# Altium PCB BT612-4-V1.0.PcbDoc (part 2 of 3)
Units mil, origin at the board's own origin, x right, y up, seen from the top; angles counter-clockwise.
Board outline 2224.41 x 905.51 mil, 2 copper layers (Top Layer, Bottom Layer); 57 components, 46 nets, 209 pads, 231 vias.
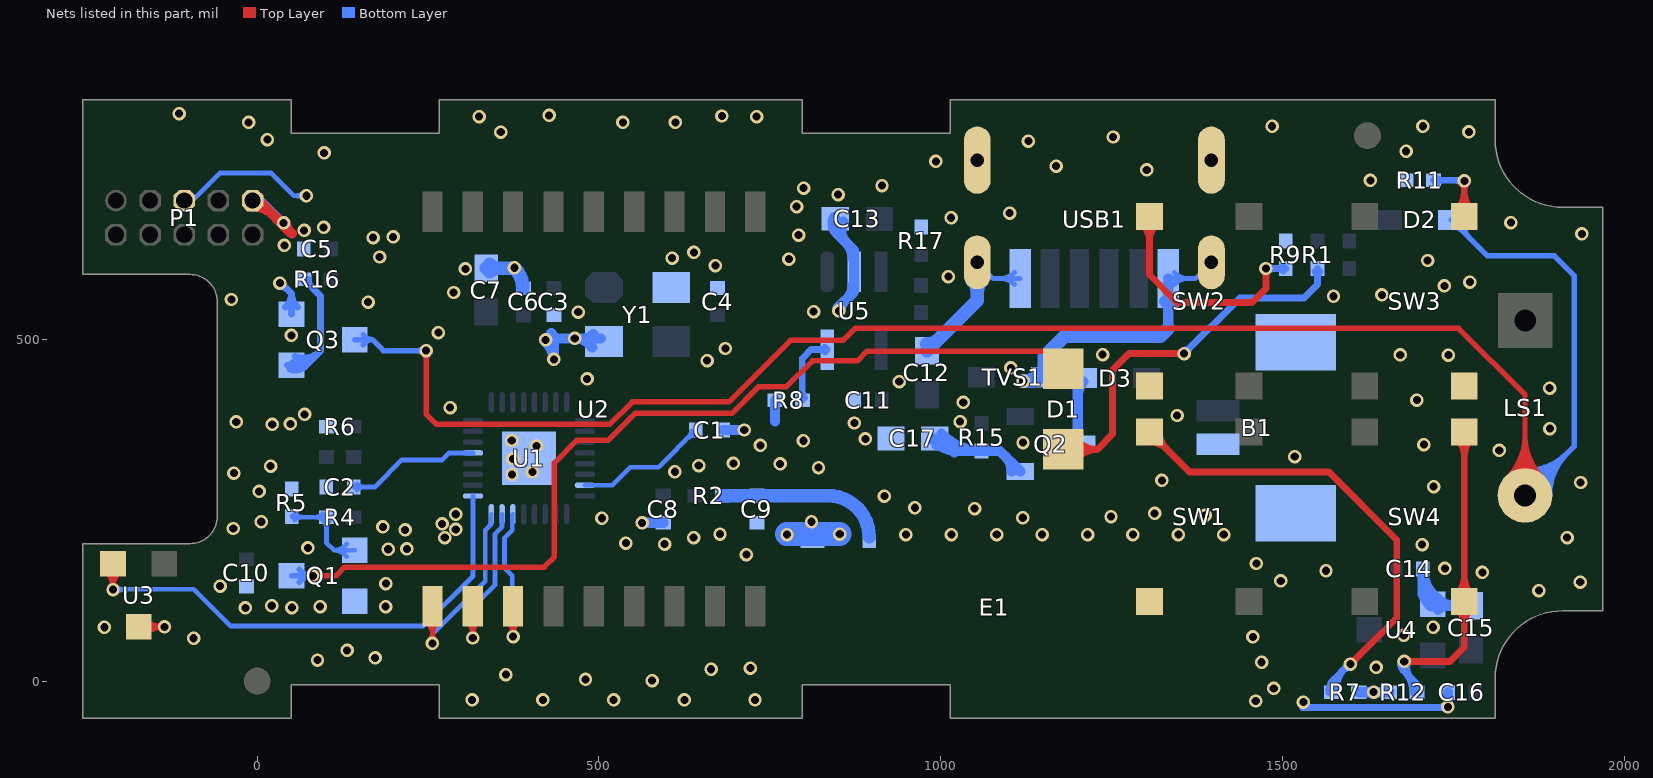
[diagram p2: the nets of this part, all layers, seen from the top]

## Via types
v1: diameter 19.68, hole 11.81, Top Layer to Bottom Layer, tented both sides, 231 vias

## Nets (pads, with @x,y where several pads share a name; then routed paths per layer and width w, separated by ;. In a path a pad name is that pad's centre, name@x,y a point inside that pad or via, vN(x,y) a via of type N, cw(c..) or ccw(c..) an arc to the next point about the centre after c; other vN are vias at no path point) (continued)
GND: B1.2 B1.3 B1.4 C1.2 C2.1 C3.2 C4.1 C5.2 C6.2 C7.2 C8.2 C9.2 C10.2 C11.1 C12.1 C13.1 C14.1 C15.1 C16.1 C17.1 E1.2 P1.5 P1.9 Q1.2 Q3.2 R5.1 R6.1 R7.2 R8.1 R9.2 R11.2 R12.2 R17.1 TVS1.1 U1.33 U3.2 U4.1 U5.2 USB1.7 USB1.A12 USB1.B12 Y1.2 Y1.4 | length 4639.1
  Top Layer w7: U3.2@-173.62,79.33 v1(-135.63,79.33) ; U3.2@-167.82,73.53 cw(c-153.82,59.53) -153.82,79.33 ; U3.2@-167.82,73.53 cw(c-153.82,59.53) -153.82,79.33 ; U3.2@-167.82,73.53 cw(c-153.82,59.53) -153.82,79.33 ; U3.2@-167.82,85.13 ccw(c-153.82,99.13) -153.82,79.33 ; U3.2@-167.82,85.13 ccw(c-153.82,99.13) -153.82,79.33 ; U3.2@-167.82,85.13 ccw(c-153.82,99.13) -153.82,79.33 ; U3.2@-162.87,68.58 cw(c-136.92,42.63) v1@-136.92,79.33 ; U3.2@-162.87,68.58 cw(c-136.92,42.63) v1@-136.92,79.33 ; U3.2@-162.87,68.58 cw(c-136.92,42.63) v1@-136.92,79.33 ; U3.2@-162.87,90.08 ccw(c-136.92,116.03) v1@-136.92,79.33 ; U3.2@-162.87,90.08 ccw(c-136.92,116.03) v1@-136.92,79.33 ; U3.2@-162.87,90.08 ccw(c-136.92,116.03) v1@-136.92,79.33 ; -150.94,79.33 cw(c-150.94,64.02) v1@-140.11,74.85 ; -150.94,79.33 ccw(c-150.94,94.64) v1@-140.11,83.82 ; -150.94,79.33 cw(c-150.94,64.02) v1@-140.11,74.85 ; -150.94,79.33 ccw(c-150.94,94.64) v1@-140.11,83.82 ; -150.94,79.33 cw(c-150.94,64.02) v1@-140.11,74.85 ; -150.94,79.33 ccw(c-150.94,94.64) v1@-140.11,83.82 ; -150.94,79.33 cw(c-150.94,64.02) v1@-140.11,74.85 ; -150.94,79.33 ccw(c-150.94,94.64) v1@-140.11,83.82 ; -150.94,79.33 cw(c-150.94,64.02) v1@-140.11,74.85 ; -150.94,79.33 ccw(c-150.94,94.64) v1@-140.11,83.82
  Top Layer w15: P1.9@-6.69,702.95 2.56,702.95 50.79,654.72 ; P1.9@-6.69,694.7 cw(c-6.69,652.46) 23.18,682.33 ccw(c-6.69,652.46) P1.9@-6.69,694.7 ; 28.53,676.98 ccw(c38.58,687.02) 38.58,672.82 cw(c38.58,687.02) 28.53,676.98 ; v1@40.93,670.47 ccw(c55.14,670.47) 45.09,660.42 cw(c55.14,670.47) v1@40.93,670.47
  Bottom Layer w7: P1.5@-106.69,702.95 -95.16,702.95 -54.92,743.2 20.3,743.2 53.44,710.06 v1(72.05,710.06) ; v1@67.56,705.58 ccw(c56.74,694.75) 56.74,710.06 ccw(c56.74,725.38) v1@67.56,714.55 ; USB1.7@1053.54,612.6 1077.17,588.98 USB1.B12@1116.54,588.98 ; USB1.A12@1333.07,588.98 1372.44,588.98 USB1.7@1396.06,612.6 ; 1086.97,588.98 cw(c1086.97,559.41) USB1.B12@1107.88,580.32 ; 1086.97,588.98 ccw(c1086.97,618.55) USB1.B12@1107.88,597.64 ; 1086.97,588.98 cw(c1086.97,559.41) USB1.B12@1107.88,580.32 ; 1086.97,588.98 ccw(c1086.97,618.55) USB1.B12@1107.88,597.64 ; 1086.97,588.98 cw(c1086.97,559.41) USB1.B12@1107.88,580.32 ; 1086.97,588.98 ccw(c1086.97,618.55) USB1.B12@1107.88,597.64 ; USB1.A12@1341.73,580.32 cw(c1362.64,559.41) 1362.64,588.98 ; USB1.A12@1341.73,580.32 cw(c1362.64,559.41) 1362.64,588.98 ; USB1.A12@1341.73,580.32 cw(c1362.64,559.41) 1362.64,588.98 ; USB1.A12@1341.73,597.64 ccw(c1362.64,618.55) 1362.64,588.98 ; USB1.A12@1341.73,597.64 ccw(c1362.64,618.55) 1362.64,588.98 ; USB1.A12@1341.73,597.64 ccw(c1362.64,618.55) 1362.64,588.98
  Bottom Layer w8: v1(33.07,582.28) v1@34.65,582.28
  Bottom Layer w10: v1@34.65,582.28 50.2,566.73 ; Q3.2@50.2,537.01 50.2,566.73 ; v1@1529.53,-38.54 1741.39,-38.54 v1(1742.13,-37.8) ; 50.2,566.73 cw(c24.81,566.73) 41.3,547.43 ccw(c24.81,566.73) 50.2,566.73 ; 50.2,566.73 ccw(c75.59,566.73) 59.1,547.43 cw(c75.59,566.73) 50.2,566.73 ; 1728.65,-38.54 ccw(c1728.65,-24.32) v1@1738.7,-34.37 ; 1728.65,-38.54 ccw(c1728.65,-24.32) v1@1738.7,-34.37 ; 1728.65,-38.54 ccw(c1728.65,-24.32) v1@1738.7,-34.37 ; 1732.22,-38.54 cw(c1732.22,-47.7) v1@1738.7,-41.22 ; 1732.22,-38.54 cw(c1732.22,-47.7) v1@1738.7,-41.22 ; 1732.22,-38.54 cw(c1732.22,-47.7) v1@1738.7,-41.22 ; v1@33.07,577.44 cw(c33.07,561.95) 44.03,572.9 ccw(c33.07,561.95) v1@33.07,577.44
  Bottom Layer w15: P1.9@2.95,703.74 v1@43.31,663.39 ; v1(434.18,470.8) 434.18,501.38 v1(464.57,501.38) ; Y1.4@502.95,501.38 v1(464.57,501.38) ; v1(563.31,231.57) C8.2@594.09,231.57 ; C1.2@681.81,367.32 v1(712.6,367.32) ; 757.56,380.24 R8.1@757.56,411.02 ; C13.1@846,676.39 846,657.15 873.36,629.79 U5.2@873.36,599.15 873.36,569.82 v1@849.61,546.06 ; 1333.07,516.04 USB1.A12@1333.07,588.98 ; R7.2@1611.73,-16.54 R12.2@1656.77,-16.54 ; v1@1742.21,-37.11 C16.1@1742.21,-16.54 ; C15.1@1776.05,110.04 1722.05,110.04 U4.1@1719.88,112.2 1705.43,126.65 C14.1@1705.43,164.17 ; v1@420.55,497.41 cw(c396.32,468.32) v1@434.18,468.32 ; v1@420.55,497.41 cw(c396.32,468.32) v1@434.18,468.32 ; v1@420.55,497.41 cw(c396.32,468.32) v1@434.18,468.32 ; v1@420.55,497.41 cw(c396.32,468.32) v1@434.18,468.32 ; v1@423.7,497.56 cw(c432.93,488.33) 432.93,501.38 ; v1@423.7,497.56 cw(c432.93,488.33) 432.93,501.38 ; v1@423.7,497.56 cw(c432.93,488.33) 432.93,501.38 ; v1@423.7,497.56 cw(c432.93,488.33) 432.93,501.38 ; v1@423.7,497.56 cw(c432.93,488.33) 432.93,501.38 ; v1@423.7,497.56 cw(c432.93,488.33) 432.93,501.38 ; v1@423.7,497.56 cw(c432.93,488.33) 432.93,501.38 ; v1@423.7,497.56 cw(c432.93,488.33) 432.93,501.38 ; 430.15,508.94 cw(c422.97,500.33) 434.18,500.33 ; 430.15,508.94 cw(c422.97,500.33) 434.18,500.33 ; 430.15,508.94 cw(c422.97,500.33) 434.18,500.33 ; 430.15,508.94 cw(c422.97,500.33) 434.18,500.33 ; v1(464.57,501.38) cw(c464.57,469.99) Y1.4@490.2,488.11 ; v1(464.57,501.38) cw(c464.57,469.99) Y1.4@490.2,488.11 ; v1(464.57,501.38) cw(c464.57,469.99) Y1.4@490.2,488.11 ; 476.95,501.38 ccw(c476.95,522.46) Y1.4@491.86,507.55 ; 476.95,501.38 ccw(c476.95,522.46) Y1.4@491.86,507.55 ; 476.95,501.38 ccw(c476.95,522.46) Y1.4@491.86,507.55 ; C13.1@844.03,678.63 ccw(c862.04,669.6) 847.79,655.36 ; C13.1@844.03,678.63 ccw(c862.04,669.6) 847.79,655.36 ; C13.1@844.03,678.63 ccw(c862.04,669.6) 847.79,655.36 ; v1@853.52,541.73 cw(c873.44,541.73) 859.36,555.81 ; v1@853.52,541.73 cw(c873.44,541.73) 859.36,555.81 ; v1@853.52,541.73 cw(c873.44,541.73) 859.36,555.81 ; C13.1@857.44,671.9 ccw(c881.62,659.78) 862.49,640.66 ; C13.1@857.44,671.9 ccw(c881.62,659.78) 862.49,640.66 ; C13.1@857.44,671.9 ccw(c881.62,659.78) 862.49,640.66 ; 861.62,641.53 cw(c838.92,618.84) U5.2@871.02,618.84 ; 861.62,641.53 cw(c838.92,618.84) U5.2@871.02,618.84 ; 861.62,641.53 cw(c838.92,618.84) U5.2@871.02,618.84 ; 862.54,559 ccw(c842.07,579.47) U5.2@871.02,579.47 ; 862.54,559 ccw(c842.07,579.47) U5.2@871.02,579.47 ; 862.54,559 ccw(c842.07,579.47) U5.2@871.02,579.47 ; USB1.A12@1327.24,555.59 cw(c1313.16,541.5) 1333.07,541.5 ; USB1.A12@1327.24,555.59 cw(c1313.16,541.5) 1333.07,541.5 ; USB1.A12@1327.24,555.59 cw(c1313.16,541.5) 1333.07,541.5 ; 1333.07,541.5 cw(c1352.98,541.5) USB1.A12@1338.9,555.59 ; 1333.07,541.5 cw(c1352.98,541.5) USB1.A12@1338.9,555.59 ; 1333.07,541.5 cw(c1352.98,541.5) USB1.A12@1338.9,555.59 ; 1705.43,133.78 ccw(c1736.41,133.78) U4.1@1717.57,109.19 ; 1705.43,133.78 ccw(c1736.41,133.78) U4.1@1717.57,109.19 ; 1705.43,133.78 ccw(c1736.41,133.78) U4.1@1717.57,109.19 ; C14.1@1705.43,164.17 ccw(c1759.7,164.17) U4.1@1726.69,121.1 ; C14.1@1705.43,164.17 ccw(c1759.7,164.17) U4.1@1726.69,121.1 ; C14.1@1705.43,164.17 ccw(c1759.7,164.17) U4.1@1726.69,121.1 ; U4.1@1727.8,104.28 cw(c1741.7,90.39) 1741.7,110.04 ; U4.1@1727.8,104.28 cw(c1741.7,90.39) 1741.7,110.04 ; U4.1@1727.8,104.28 cw(c1741.7,90.39) 1741.7,110.04 ; U4.1@1727.8,120.12 ccw(c1752.15,144.47) 1752.15,110.04 ; U4.1@1727.8,120.12 ccw(c1752.15,144.47) 1752.15,110.04 ; U4.1@1727.8,120.12 ccw(c1752.15,144.47) 1752.15,110.04 ; 1751.91,110.04 cw(c1751.91,85.9) C15.1@1768.98,102.97 ; 1751.91,110.04 ccw(c1751.91,134.18) C15.1@1768.98,117.11 ; 1751.91,110.04 cw(c1751.91,85.9) C15.1@1768.98,102.97 ; 1751.91,110.04 ccw(c1751.91,134.18) C15.1@1768.98,117.11 ; 1751.91,110.04 cw(c1751.91,85.9) C15.1@1768.98,102.97 ; 1751.91,110.04 ccw(c1751.91,134.18) C15.1@1768.98,117.11 ; P1.9@-6.69,694.7 cw(c-6.69,649.6) 25.2,681.5 ccw(c-6.69,649.6) P1.9@-6.69,694.7
  Bottom Layer w20: C7.2@335.11,604.13 376.58,604.13 cw(c347.19,574.72) C6.2@388.76,574.72 ; C12.1@979.99,483.27 1053.54,556.82 USB1.7@1053.54,612.6 ; v1(1120.87,438.98) TVS1.1@1136.22,438.98 ; TVS1.1@1151.68,444.49 1151.68,475.3 1180.71,504.33 1321.36,504.33 1333.07,516.04 ; C7.2@340.41,598.83 cw(c353.22,586.03) 353.22,604.13 ; C7.2@340.41,598.83 cw(c353.22,586.03) 353.22,604.13 ; C7.2@340.41,598.83 cw(c353.22,586.03) 353.22,604.13 ; C7.2@340.41,609.44 ccw(c353.22,622.24) 353.22,604.13 ; C7.2@340.41,609.44 ccw(c353.22,622.24) 353.22,604.13 ; C7.2@340.41,609.44 ccw(c353.22,622.24) 353.22,604.13 ; C12.1@979.99,493.27 ccw(c979.99,517.41) C12.1@997.06,500.34 ; C12.1@979.99,493.27 ccw(c979.99,517.41) C12.1@997.06,500.34 ; C12.1@979.99,493.27 ccw(c979.99,517.41) C12.1@997.06,500.34 ; USB1.7@1046.7,586.07 cw(c1030.16,569.53) 1053.54,569.53 ; USB1.7@1046.7,586.07 cw(c1030.16,569.53) 1053.54,569.53 ; USB1.7@1046.7,586.07 cw(c1030.16,569.53) 1053.54,569.53 ; 1053.54,569.53 cw(c1076.93,569.53) USB1.7@1060.39,586.07 ; 1053.54,569.53 cw(c1076.93,569.53) USB1.7@1060.39,586.07 ; 1053.54,569.53 cw(c1076.93,569.53) USB1.7@1060.39,586.07 ; v1@1121.95,438.98 ccw(c1121.95,469.3) TVS1.1@1143.39,447.86 ; v1@1121.95,438.98 ccw(c1121.95,469.3) TVS1.1@1143.39,447.86 ; v1@1121.95,438.98 ccw(c1121.95,469.3) TVS1.1@1143.39,447.86
  Bottom Layer w35: v1@774.86,214.96 v1(852.36,214.96)
  other v1: 1530.71,-30.71 1461.02,-29.13 314.57,-27.56 418.01,-27.56 521.46,-27.56 624.9,-27.56 728.35,-27.56 1633.46,-16.14 1487.4,-10.63 577.95,0.79 480.31,2.36 363.78,9.45 664.17,17.32 721.65,18.9 1637.01,20.08 1469.69,27.56 88.19,30.71 172.44,33.86 131.5,44.88 -92.91,62.6 1456.69,64.57 1677.56,66.93 -223.62,78.74 1720.47,78.74 -17.32,107.09 50.79,107.48 92.13,109.06 187.8,109.06 21.26,110.24 1875.2,132.28 -54.33,138.98 188.19,142.52 1935.83,144.88 1497.64,146.46 1792.52,159.06 1563.78,161.42 1737.8,164.96 1461.81,172.05 715.75,185.04 191.73,192.91 218.9,193.31 74.02,194.88 1704.33,199.61 596.06,200.39 539.37,201.97 274.41,209.84 638.58,209.84 1916.54,209.84 775.2,214.17 949.21,214.17 1015.64,214.17 1082.06,214.17 1148.48,214.17 1214.9,214.17 1281.33,214.17 1347.75,214.17 1414.17,214.17 677.17,214.96 216.54,221.26 290.55,222.05 -35.04,223.23 183.86,225.59 270.47,229.92 5.91,233.07 811.02,233.07 504.33,238.19 1120.08,238.98 1249.21,240.55 1387.01,242.52 290.55,244.09 1312.99,245.28 1049.61,252.36 962.2,253.54 917.72,270.47 2.76,277.56 1721.26,284.65 1936.22,290.55 1323.62,293.7 372.83,302.36 -34.25,304.33 402.76,305.91 611.02,306.3 821.26,312.2 19.69,314.57 646.06,315.35 764.96,317.72 696.85,318.5 374.02,325.2 1518.11,328.35 1817.32,337.4 408.66,344.09 736.22,344.88 1707.09,346.06 1120.47,348.82 372.44,351.97 799.21,351.57 889.76,354.33 1891.34,369.29 22.05,375.59 48.43,376.38 873.62,377.56 -30.71,379.13 1028.35,379.53 1346.06,388.58 69.29,390.16 282.28,400 1033.07,407.87 1696.85,411.02 1890.94,428.74 939.37,438.19 482.68,442.13 1102.76,458.27 658.27,468.9 1672.44,477.17 1742.91,476.77 1237.01,477.56 685.04,486.61 422.05,499.21 50,505.91 264.96,509.84 469.69,539.76 814.17,540.55 851.18,541.73 162.2,554.33 -37.8,558.27 1574.8,562.99 1645.67,564.96 287.4,568.5 1737.01,578.35 1774.41,583.86 1011.42,591.73 304.72,603.15 376.38,604.72 670.47,607.87 1712.6,615.35 777.95,617.32 607.09,618.9 179.13,620.47 638.98,627.17 39.76,637.4 169.69,648.82 198.82,650 792.13,652.36 1938.19,654.33 68.5,659.45 97.24,663.78 38.58,670.47 1834.25,670.87 1015.35,677.95 1100.79,684.65 789.37,694.09 850,711.81 799.61,721.26 914.17,724.8 1628.74,732.68 1301.57,748.03 1168.9,753.54 992.91,760.24 98.03,772.83 1681.1,775.2 1128.35,790.16 14.96,792.13 1252.36,796.06 356.3,803.15 1772.83,803.54 1485.04,811.81 1705.51,811.81 -12.6,817.32 535.04,817.32 611.81,817.32 324.8,825.98 730.71,825.98 679.92,826.77 427.17,827.56 -114.17,830.32
"HALL 1": U1.1 U3.3 | length 1240.8
  Top Layer w7: v1(-211.02,133.86) U3.3@-211.02,171.85 ; U3.3@-221.77,161.1 cw(c-247.72,135.15) v1@-211.02,135.15 ; U3.3@-221.77,161.1 cw(c-247.72,135.15) v1@-211.02,135.15 ; U3.3@-221.77,161.1 cw(c-247.72,135.15) v1@-211.02,135.15 ; U3.3@-216.82,166.05 cw(c-230.82,152.05) -211.02,152.05 ; U3.3@-216.82,166.05 cw(c-230.82,152.05) -211.02,152.05 ; U3.3@-216.82,166.05 cw(c-230.82,152.05) -211.02,152.05 ; v1@-215.51,138.34 ccw(c-226.33,149.17) -211.02,149.17 ; v1@-215.51,138.34 ccw(c-226.33,149.17) -211.02,149.17 ; v1@-215.51,138.34 ccw(c-226.33,149.17) -211.02,149.17 ; v1@-215.51,138.34 ccw(c-226.33,149.17) -211.02,149.17 ; v1@-215.51,138.34 ccw(c-226.33,149.17) -211.02,149.17 ; v1@-211.02,135.15 cw(c-174.32,135.15) U3.3@-200.27,161.1 ; v1@-211.02,135.15 cw(c-174.32,135.15) U3.3@-200.27,161.1 ; v1@-211.02,135.15 cw(c-174.32,135.15) U3.3@-200.27,161.1 ; -211.02,149.17 ccw(c-195.71,149.17) v1@-206.54,138.34 ; -211.02,149.17 ccw(c-195.71,149.17) v1@-206.54,138.34 ; -211.02,149.17 ccw(c-195.71,149.17) v1@-206.54,138.34 ; -211.02,149.17 ccw(c-195.71,149.17) v1@-206.54,138.34 ; -211.02,149.17 ccw(c-195.71,149.17) v1@-206.54,138.34 ; -211.02,152.05 cw(c-191.22,152.05) U3.3@-205.22,166.05 ; -211.02,152.05 cw(c-191.22,152.05) U3.3@-205.22,166.05 ; -211.02,152.05 cw(c-191.22,152.05) U3.3@-205.22,166.05
  Bottom Layer w7: v1@-210.63,134.25 -92.91,134.25 -39.37,80.71 242.91,80.71 315.75,153.55 U1.1@315.75,270.87 ; v1@-206.54,129.37 cw(c-194.76,117.6) -194.76,134.25 ; v1@-206.54,129.37 cw(c-194.76,117.6) -194.76,134.25 ; v1@-206.54,129.37 cw(c-194.76,117.6) -194.76,134.25 ; v1@-206.54,129.37 cw(c-194.76,117.6) -194.76,134.25 ; v1@-206.54,129.37 cw(c-194.76,117.6) -194.76,134.25 ; v1@-206.54,138.34 ccw(c-196.66,148.22) -196.66,134.25 ; v1@-206.54,138.34 ccw(c-196.66,148.22) -196.66,134.25 ; v1@-206.54,138.34 ccw(c-196.66,148.22) -196.66,134.25 ; v1@-206.54,138.34 ccw(c-196.66,148.22) -196.66,134.25 ; v1@-206.54,138.34 ccw(c-196.66,148.22) -196.66,134.25
NetC1_1: C1.1 U1.23 | length 245
  Bottom Layer w7: U1.23@479.53,286.61 519.8,286.61 545.96,312.77 587.19,312.77 C1.1@641.81,367.39 ; 628.89,354.47 cw(c641.81,341.55) 641.81,359.82 ccw(c641.81,341.55) 628.89,354.47 ; 631.47,357.05 ccw(c622.2,366.32) 635.31,366.32 cw(c622.2,366.32) 631.47,357.05
NetC2_2: C2.2 U1.5 | length 269.2
  Bottom Layer w7: C2.2@141.26,283.86 171.65,283.86 211.42,323.62 270.47,323.62 280.71,333.86 U1.5@315.75,333.86 ; C2.2@145.86,279.26 cw(c156.95,268.17) 156.95,283.86 ; C2.2@145.86,279.26 cw(c156.95,268.17) 156.95,283.86 ; C2.2@145.86,279.26 cw(c156.95,268.17) 156.95,283.86 ; C2.2@145.86,288.45 ccw(c156.95,299.55) 156.95,283.86 ; C2.2@145.86,288.45 ccw(c156.95,299.55) 156.95,283.86 ; C2.2@145.86,288.45 ccw(c156.95,299.55) 156.95,283.86
NetC9_1: C9.1 E1.1 R2.1 | length 248.9
  Bottom Layer w20: R2.1@680.63,271.26 835.21,271.26 cw(c835.21,211.19) E1.1@895.28,211.19
NetC17_2: C17.2 Q2.G R15.1 | length 510.9
  Bottom Layer w15: C17.2@991.53,355.05 999.21,355.05 1017.57,336.69 R15.1@1059.84,336.69 1086.57,336.69 Q2.G@1116.42,306.85 ; C17.2@994.03,345.05 cw(c994.03,308.41) 1019.94,334.32 ; C17.2@994.03,345.05 cw(c994.03,308.41) 1019.94,334.32 ; C17.2@994.03,345.05 cw(c994.03,308.41) 1019.94,334.32 ; 1095.08,328.19 cw(c1073.74,306.85) Q2.G@1103.92,306.85 ; 1095.08,328.19 cw(c1073.74,306.85) Q2.G@1103.92,306.85 ; 1095.08,328.19 cw(c1073.74,306.85) Q2.G@1103.92,306.85 ; C17.2@990.4,351.61 ccw(c1025.03,384.33) 1025.03,336.69 cw(c1025.03,384.33) C17.2@990.4,351.61 ; C17.2@1001.3,361.92 ccw(c1059.84,417.23) R15.1@1059.84,336.69 cw(c1059.84,417.23) C17.2@1001.3,361.92
NetD1_1: D1.1 R1.1 | length 892.9
  Top Layer w10: D1.1@1179.53,338.98 1229.13,338.98 ; v1(1356.3,479.24) 1275.69,479.24 1251.57,455.12 1251.57,361.42 1229.13,338.98 ; 1229.13,338.98 cw(c1229.13,376.87) 1199.02,353.87 ccw(c1229.13,376.87) 1229.13,338.98 ; 1229.13,338.98 ccw(c1229.13,301.08) 1199.02,324.09 cw(c1229.13,301.08) 1229.13,338.98 ; 1344.61,479.24 cw(c1344.61,467.55) v1@1352.88,475.81 ; 1344.61,479.24 ccw(c1344.61,490.93) v1@1352.88,482.66 ; 1344.61,479.24 cw(c1344.61,467.55) v1@1352.88,475.81 ; 1344.61,479.24 ccw(c1344.61,490.93) v1@1352.88,482.66 ; 1344.61,479.24 cw(c1344.61,467.55) v1@1352.88,475.81 ; 1344.61,479.24 ccw(c1344.61,490.93) v1@1352.88,482.66 ; 1344.61,479.24 cw(c1344.61,467.55) v1@1352.88,475.81 ; 1344.61,479.24 ccw(c1344.61,490.93) v1@1352.88,482.66
  Bottom Layer w10: v1(1356.3,479.24) 1437.69,560.63 1531.5,560.63 1551.38,580.51 R1.1@1551.38,603.62 ; v1@1356.3,484.08 ccw(c1356.3,495.77) 1364.57,487.5 ; v1@1356.3,484.08 ccw(c1356.3,495.77) 1364.57,487.5 ; v1@1356.3,484.08 ccw(c1356.3,495.77) 1364.57,487.5 ; v1@1356.3,484.08 ccw(c1356.3,495.77) 1364.57,487.5 ; v1@1361.14,479.24 cw(c1372.83,479.24) 1364.57,487.5 ; v1@1361.14,479.24 cw(c1372.83,479.24) 1364.57,487.5 ; v1@1361.14,479.24 cw(c1372.83,479.24) 1364.57,487.5 ; v1@1361.14,479.24 cw(c1372.83,479.24) 1364.57,487.5 ; R1.1@1547.84,599.09 cw(c1539.31,590.55) 1551.38,590.55 ; R1.1@1547.84,599.09 cw(c1539.31,590.55) 1551.38,590.55 ; R1.1@1547.84,599.09 cw(c1539.31,590.55) 1551.38,590.55 ; 1551.38,590.55 cw(c1563.45,590.55) R1.1@1554.91,599.09 ; 1551.38,590.55 cw(c1563.45,590.55) R1.1@1554.91,599.09 ; 1551.38,590.55 cw(c1563.45,590.55) R1.1@1554.91,599.09
NetD1_2: D1.2 Q1.3 | length 1673.8
  Top Layer w8: v1(81.89,153.94) 115.35,153.94 127.98,166.56 419.66,166.56 434.69,181.59 434.69,319.38 467.82,352.52 513.87,352.52 553.09,391.73 694.5,391.73 733.11,430.34 774,430.34 812.2,468.55 877.99,468.55 892.12,482.68 909.4,482.68 1153.94,482.68 D1.2@1179.53,457.09 ; v1@86.02,149.81 cw(c95.99,139.83) 95.99,153.94 ; v1@86.02,149.81 cw(c95.99,139.83) 95.99,153.94 ; v1@86.02,149.81 cw(c95.99,139.83) 95.99,153.94 ; v1@86.02,149.81 cw(c95.99,139.83) 95.99,153.94 ; v1@86.02,158.07 ccw(c95.99,168.04) 95.99,153.94 ; v1@86.02,158.07 ccw(c95.99,168.04) 95.99,153.94 ; v1@86.02,158.07 ccw(c95.99,168.04) 95.99,153.94 ; v1@86.02,158.07 ccw(c95.99,168.04) 95.99,153.94
  Bottom Layer w8: Q1.3@50.2,153.94 v1(81.89,153.94) ; Q1.3@61.42,144.44 cw(c81.89,127.13) v1(81.89,153.94) ; Q1.3@61.42,144.44 cw(c81.89,127.13) v1(81.89,153.94) ; Q1.3@61.42,144.44 cw(c81.89,127.13) v1(81.89,153.94) ; Q1.3@61.42,163.43 ccw(c81.89,180.75) v1(81.89,153.94) ; Q1.3@61.42,163.43 ccw(c81.89,180.75) v1(81.89,153.94) ; Q1.3@61.42,163.43 ccw(c81.89,180.75) v1(81.89,153.94) ; Q1.3@67.78,153.94 cw(c67.78,139.83) v1@77.76,149.81 ; Q1.3@67.78,153.94 ccw(c67.78,168.04) v1@77.76,158.07 ; Q1.3@67.78,153.94 cw(c67.78,139.83) v1@77.76,149.81 ; Q1.3@67.78,153.94 ccw(c67.78,168.04) v1@77.76,158.07 ; Q1.3@67.78,153.94 cw(c67.78,139.83) v1@77.76,149.81 ; Q1.3@67.78,153.94 ccw(c67.78,168.04) v1@77.76,158.07 ; Q1.3@67.78,153.94 cw(c67.78,139.83) v1@77.76,149.81 ; Q1.3@67.78,153.94 ccw(c67.78,168.04) v1@77.76,158.07
NetD2_1: D2.1 LS1.2 Q3.3 | length 4241.4
  Top Layer w8: v1(247.24,483.46) 247.24,390.94 262.6,375.59 515.73,375.59 548.8,408.66 690.22,408.66 780.11,498.55 857.27,498.55 874.87,516.14 1757.87,516.14 1854.95,419.06 LS1.2@1854.95,271.65 ; v1@243.11,479.33 cw(c233.14,469.36) 247.24,469.36 ; v1@243.11,479.33 cw(c233.14,469.36) 247.24,469.36 ; v1@243.11,479.33 cw(c233.14,469.36) 247.24,469.36 ; 247.24,469.36 cw(c261.35,469.36) v1@251.38,479.33 ; 247.24,469.36 cw(c261.35,469.36) v1@251.38,479.33 ; 247.24,469.36 cw(c261.35,469.36) v1@251.38,479.33 ; 1854.95,319.94 cw(c1806.67,319.94) 1840.81,285.8 ccw(c1806.67,319.94) 1854.95,319.94 ; 1854.95,319.94 ccw(c1903.24,319.94) 1869.1,285.8 cw(c1903.24,319.94) 1854.95,319.94 ; 1854.95,339.25 cw(c1787.36,339.25) 1835.16,291.45 ccw(c1787.36,339.25) 1854.95,339.25 ; 1854.95,339.25 ccw(c1922.55,339.25) 1874.75,291.45 cw(c1922.55,339.25) 1854.95,339.25 ; 1854.95,358.57 cw(c1768.04,358.57) 1829.5,297.11 ccw(c1768.04,358.57) 1854.95,358.57 ; 1854.95,358.57 ccw(c1941.87,358.57) 1880.41,297.11 cw(c1941.87,358.57) 1854.95,358.57
  Bottom Layer w8: Q3.3@142.72,499.61 168.5,499.61 ; v1(247.24,483.46) 184.65,483.46 168.5,499.61 ; D2.1@1747.35,674.8 1799.71,622.44 1897.64,622.44 1927.17,592.91 1927.17,343.86 LS1.2@1854.95,271.65 ; Q3.3@155.37,492.12 cw(c168.5,484.34) 168.5,499.61 ; Q3.3@155.37,492.12 cw(c168.5,484.34) 168.5,499.61 ; Q3.3@155.37,492.12 cw(c168.5,484.34) 168.5,499.61 ; Q3.3@155.37,507.1 ccw(c168.5,514.87) 168.5,499.61 ; Q3.3@155.37,507.1 ccw(c168.5,514.87) 168.5,499.61 ; Q3.3@155.37,507.1 ccw(c168.5,514.87) 168.5,499.61 ; 233.14,483.46 cw(c233.14,469.36) v1@243.11,479.33 ; 233.14,483.46 ccw(c233.14,497.57) v1@243.11,487.6 ; 233.14,483.46 cw(c233.14,469.36) v1@243.11,479.33 ; 233.14,483.46 ccw(c233.14,497.57) v1@243.11,487.6 ; 233.14,483.46 cw(c233.14,469.36) v1@243.11,479.33 ; 233.14,483.46 ccw(c233.14,497.57) v1@243.11,487.6 ; 1889.1,305.8 cw(c1854.95,339.94) 1854.95,291.65 ccw(c1854.95,339.94) 1889.1,305.8 ; 1889.1,305.8 ccw(c1923.24,271.65) 1874.95,271.65 cw(c1923.24,271.65) 1889.1,305.8 ; 1902.75,319.45 cw(c1854.95,367.25) 1854.95,299.65 ccw(c1854.95,367.25) 1902.75,319.45 ; 1902.75,319.45 ccw(c1950.55,271.65) 1882.95,271.65 cw(c1950.55,271.65) 1902.75,319.45 ; 1916.41,333.11 cw(c1854.95,394.57) 1854.95,307.65 ccw(c1854.95,394.57) 1916.41,333.11 ; 1916.41,333.11 ccw(c1977.87,271.65) 1890.95,271.65 cw(c1977.87,271.65) 1916.41,333.11 ; D2.1@1752.27,664.04 cw(c1752.27,649.93) 1762.24,659.91 ccw(c1752.27,649.93) D2.1@1752.27,664.04 ; D2.1@1755.03,674.8 ccw(c1773.58,674.8) 1760.46,661.68 cw(c1773.58,674.8) D2.1@1755.03,674.8 ; D2.1@1763.03,674.8 ccw(c1800.9,674.8) 1774.12,648.03 cw(c1800.9,674.8) D2.1@1763.03,674.8
NetD3_1: D3.1 Q2.D | length 206.8
  Bottom Layer w15: Q2.D@1200.12,347.64 1200.69,348.21 D3.1@1200.69,443.31 ; Q2.D@1195.38,350.39 ccw(c1182.58,363.19) 1200.69,363.19 ; Q2.D@1195.38,350.39 ccw(c1182.58,363.19) 1200.69,363.19 ; Q2.D@1195.38,350.39 ccw(c1182.58,363.19) 1200.69,363.19 ; 1200.69,417.69 cw(c1229.65,417.69) D3.1@1209.17,438.17 ; 1200.69,417.69 cw(c1229.65,417.69) D3.1@1209.17,438.17 ; 1200.69,417.69 cw(c1229.65,417.69) D3.1@1209.17,438.17
NetQ1_1: Q1.1 R4.1 R5.2 | length 481.2
  Bottom Layer w7: R5.2@50.39,241.02 51.65,239.76 R4.1@101.26,239.76 101.26,202.68 112.6,191.34 ; Q1.1@142.72,191.34 112.6,191.34 ; R5.2@54.99,235.43 cw(c65.46,224.96) 65.46,239.76 ; R5.2@54.99,235.43 cw(c65.46,224.96) 65.46,239.76 ; R5.2@54.99,235.43 cw(c65.46,224.96) 65.46,239.76 ; R5.2@54.99,244.62 ccw(c66.71,256.34) 66.71,239.76 ; R5.2@54.99,244.62 ccw(c66.71,256.34) 66.71,239.76 ; R5.2@54.99,244.62 ccw(c66.71,256.34) 66.71,239.76 ; 84.57,239.76 cw(c84.57,224.07) R4.1@95.66,235.17 ; 84.57,239.76 ccw(c84.57,255.46) R4.1@95.66,244.36 ; 84.57,239.76 cw(c84.57,224.07) R4.1@95.66,235.17 ; 84.57,239.76 ccw(c84.57,255.46) R4.1@95.66,244.36 ; 84.57,239.76 cw(c84.57,224.07) R4.1@95.66,235.17 ; 84.57,239.76 ccw(c84.57,255.46) R4.1@95.66,244.36 ; R4.1@96.66,235.17 cw(c85.57,224.07) 101.26,224.07 ; R4.1@96.66,235.17 cw(c85.57,224.07) 101.26,224.07 ; R4.1@96.66,235.17 cw(c85.57,224.07) 101.26,224.07 ; 101.26,224.07 cw(c116.95,224.07) R4.1@105.86,235.17 ; 101.26,224.07 cw(c116.95,224.07) R4.1@105.86,235.17 ; 101.26,224.07 cw(c116.95,224.07) R4.1@105.86,235.17 ; 112.6,191.34 cw(c112.6,169.1) Q1.1@130.49,182.31 ; 112.6,191.34 ccw(c112.6,213.57) Q1.1@130.49,200.37 ; 112.6,191.34 cw(c112.6,169.1) Q1.1@130.49,182.31 ; 112.6,191.34 ccw(c112.6,213.57) Q1.1@130.49,200.37 ; 112.6,191.34 cw(c112.6,169.1) Q1.1@130.49,182.31 ; 112.6,191.34 ccw(c112.6,213.57) Q1.1@130.49,200.37
NetQ3_1: Q3.1 R16.1 | length 524.3
  Bottom Layer w10: Q3.1@44.09,462.2 Q3.1@50.2,462.2 72.05,462.2 92.69,482.85 92.69,563.49 R16.1@68.19,587.99 ; Q3.1@47.91,456.34 ccw(c55.75,476.47) 71.03,461.19 ; Q3.1@47.91,456.34 ccw(c55.75,476.47) 71.03,461.19 ; Q3.1@47.91,456.34 ccw(c55.75,476.47) 71.03,461.19 ; Q3.1@51.54,465.65 ccw(c61.83,492.05) 81.86,472.02 ; Q3.1@51.54,465.65 ccw(c61.83,492.05) 81.86,472.02 ; Q3.1@51.54,465.65 ccw(c61.83,492.05) 81.86,472.02 ; Q3.1@55.17,474.97 ccw(c67.9,507.63) 92.69,482.85 ; Q3.1@55.17,474.97 ccw(c67.9,507.63) 92.69,482.85 ; Q3.1@55.17,474.97 ccw(c67.9,507.63) 92.69,482.85 ; R16.1@69.19,582.99 cw(c69.19,573.34) R16.1@76.02,580.16 ; R16.1@69.19,582.99 cw(c69.19,573.34) R16.1@76.02,580.16 ; R16.1@69.19,582.99 cw(c69.19,573.34) R16.1@76.02,580.16 ; R16.1@74.19,587.99 ccw(c88.67,587.99) 78.43,577.75 ; R16.1@74.19,587.99 ccw(c88.67,587.99) 78.43,577.75 ; R16.1@74.19,587.99 ccw(c88.67,587.99) 78.43,577.75
NetR7_1: R7.1 SW1.2 | length 1173.7
  Top Layer w10: SW1.2@1305.51,364.57 1364.17,305.91 1568.11,305.91 1667.32,206.69 1667.32,92.52 v1(1599.61,24.8) ; 1330.58,339.5 cw(c1355.65,364.57) 1320.2,364.57 ccw(c1355.65,364.57) 1330.58,339.5 ; 1330.58,339.5 ccw(c1305.51,314.43) 1305.51,349.88 cw(c1305.51,314.43) 1330.58,339.5 ; v1@1599.61,29.65 ccw(c1599.61,41.34) 1607.87,33.07 ; v1@1599.61,29.65 ccw(c1599.61,41.34) 1607.87,33.07 ; v1@1599.61,29.65 ccw(c1599.61,41.34) 1607.87,33.07 ; v1@1599.61,29.65 ccw(c1599.61,41.34) 1607.87,33.07 ; v1@1604.45,24.8 cw(c1616.14,24.8) 1607.87,33.07 ; v1@1604.45,24.8 cw(c1616.14,24.8) 1607.87,33.07 ; v1@1604.45,24.8 cw(c1616.14,24.8) 1607.87,33.07 ; v1@1604.45,24.8 cw(c1616.14,24.8) 1607.87,33.07
  Bottom Layer w10: R7.1@1570.94,-18.11 1570.94,-1.89 v1@1599.21,26.38 ; R7.1@1567.2,-13 ccw(c1558.15,-3.95) 1570.94,-3.95 ; R7.1@1567.2,-13 ccw(c1558.15,-3.95) 1570.94,-3.95 ; R7.1@1567.2,-13 ccw(c1558.15,-3.95) 1570.94,-3.95 ; R7.1@1567.73,-16.54 cw(c1595.33,-16.54) 1575.82,2.98 ; R7.1@1567.73,-16.54 cw(c1595.33,-16.54) 1575.82,2.98 ; R7.1@1567.73,-16.54 cw(c1595.33,-16.54) 1575.82,2.98 ; 1570.94,-4.98 ccw(c1582.29,-4.98) R7.1@1574.27,-13 ; 1570.94,-4.98 ccw(c1582.29,-4.98) R7.1@1574.27,-13 ; 1570.94,-4.98 ccw(c1582.29,-4.98) R7.1@1574.27,-13 ; R7.1@1577.73,-16.54 cw(c1629.48,-16.54) v1@1592.89,20.05 ; R7.1@1577.73,-16.54 cw(c1629.48,-16.54) v1@1592.89,20.05 ; R7.1@1577.73,-16.54 cw(c1629.48,-16.54) v1@1592.89,20.05 ; 1587.98,15.14 cw(c1599.61,3.52) v1@1599.61,19.96 ; 1587.98,15.14 cw(c1599.61,3.52) v1@1599.61,19.96 ; 1587.98,15.14 cw(c1599.61,3.52) v1@1599.61,19.96 ; 1587.98,15.14 cw(c1599.61,3.52) v1@1599.61,19.96
NetR8_2: R8.2 U5.5 | length 218.4
  Bottom Layer w10: R8.2@797.56,411.02 797.56,471.97 810.57,484.98 U5.5@833.99,484.98 U5.5@831.42,482.4 ; R8.2@794.02,414.56 ccw(c785.49,423.09) 797.56,423.09 ; R8.2@794.02,414.56 ccw(c785.49,423.09) 797.56,423.09 ; R8.2@794.02,414.56 ccw(c785.49,423.09) 797.56,423.09 ; 797.56,423.09 ccw(c809.63,423.09) R8.2@801.09,414.56 ; 797.56,423.09 ccw(c809.63,423.09) R8.2@801.09,414.56 ; 797.56,423.09 ccw(c809.63,423.09) R8.2@801.09,414.56 ; 822.3,484.98 cw(c822.3,473.29) U5.5@830.57,481.55 ; 822.3,484.98 ccw(c822.3,496.67) U5.5@830.57,488.4 ; 822.3,484.98 cw(c822.3,473.29) U5.5@830.57,481.55 ; 822.3,484.98 ccw(c822.3,496.67) U5.5@830.57,488.4 ; 822.3,484.98 cw(c822.3,473.29) U5.5@830.57,481.55 ; 822.3,484.98 ccw(c822.3,496.67) U5.5@830.57,488.4
NetR9_1: R9.1 SW2.2 | length 654.2
  Top Layer w10: SW2.2@1305.51,679.53 1305.51,594.49 1345.86,554.14 1455.72,554.14 1475.91,574.33 v1(1475.91,603.62) ; 1305.51,644.08 cw(c1340.97,644.08) 1315.9,669.14 ccw(c1340.97,644.08) 1305.51,644.08 ; 1305.51,644.08 ccw(c1270.06,644.08) 1295.13,669.14 cw(c1270.06,644.08) 1305.51,644.08 ; v1@1472.48,600.2 cw(c1464.21,591.93) 1475.91,591.93 ; v1@1472.48,600.2 cw(c1464.21,591.93) 1475.91,591.93 ; v1@1472.48,600.2 cw(c1464.21,591.93) 1475.91,591.93 ; v1@1472.48,600.2 cw(c1464.21,591.93) 1475.91,591.93 ; 1475.91,591.93 cw(c1487.6,591.93) v1@1479.33,600.2 ; 1475.91,591.93 cw(c1487.6,591.93) v1@1479.33,600.2 ; 1475.91,591.93 cw(c1487.6,591.93) v1@1479.33,600.2 ; 1475.91,591.93 cw(c1487.6,591.93) v1@1479.33,600.2
  Bottom Layer w10: v1(1475.91,603.62) R9.1@1505.12,603.62 ; v1@1479.33,600.2 cw(c1487.6,591.93) 1487.6,603.62 ; v1@1479.33,600.2 cw(c1487.6,591.93) 1487.6,603.62 ; v1@1479.33,600.2 cw(c1487.6,591.93) 1487.6,603.62 ; v1@1479.33,600.2 cw(c1487.6,591.93) 1487.6,603.62 ; v1@1479.33,607.05 ccw(c1487.6,615.31) 1487.6,603.62 ; v1@1479.33,607.05 ccw(c1487.6,615.31) 1487.6,603.62 ; v1@1479.33,607.05 ccw(c1487.6,615.31) 1487.6,603.62 ; v1@1479.33,607.05 ccw(c1487.6,615.31) 1487.6,603.62 ; 1493.05,603.62 cw(c1493.05,591.55) R9.1@1501.58,600.09 ; 1493.05,603.62 ccw(c1493.05,615.69) R9.1@1501.58,607.16 ; 1493.05,603.62 cw(c1493.05,591.55) R9.1@1501.58,600.09 ; 1493.05,603.62 ccw(c1493.05,615.69) R9.1@1501.58,607.16 ; 1493.05,603.62 cw(c1493.05,591.55) R9.1@1501.58,600.09 ; 1493.05,603.62 ccw(c1493.05,615.69) R9.1@1501.58,607.16
NetR11_1: R11.1 SW3.2 | length 383
  Top Layer w10: SW3.2@1766.14,679.53 v1@1766.14,730.32 ; v1@1762.72,728.47 cw(c1754.45,720.2) 1766.14,720.2 ; v1@1762.72,728.47 cw(c1754.45,720.2) 1766.14,720.2 ; v1@1762.72,728.47 cw(c1754.45,720.2) 1766.14,720.2 ; v1@1762.72,728.47 cw(c1754.45,720.2) 1766.14,720.2 ; 1766.14,714.98 cw(c1730.69,714.98) 1755.76,689.91 ccw(c1730.69,714.98) 1766.14,714.98 ; 1766.14,714.98 ccw(c1801.6,714.98) 1776.53,689.91 cw(c1801.6,714.98) 1766.14,714.98 ; 1766.14,720.2 cw(c1777.83,720.2) v1@1769.57,728.47 ; 1766.14,720.2 cw(c1777.83,720.2) v1@1769.57,728.47 ; 1766.14,720.2 cw(c1777.83,720.2) v1@1769.57,728.47 ; 1766.14,720.2 cw(c1777.83,720.2) v1@1769.57,728.47
  Bottom Layer w10: R11.1@1720.79,732.68 v1@1766.14,732.68 ; R11.1@1725.32,729.14 cw(c1733.86,720.61) 1733.86,732.68 ; R11.1@1725.32,729.14 cw(c1733.86,720.61) 1733.86,732.68 ; R11.1@1725.32,729.14 cw(c1733.86,720.61) 1733.86,732.68 ; R11.1@1725.32,736.21 ccw(c1733.86,744.75) 1733.86,732.68 ; R11.1@1725.32,736.21 ccw(c1733.86,744.75) 1733.86,732.68 ; R11.1@1725.32,736.21 ccw(c1733.86,744.75) 1733.86,732.68 ; 1752.55,732.68 cw(c1752.55,718.3) v1@1762.72,728.47 ; 1752.55,732.68 cw(c1752.55,718.3) v1@1762.72,728.47 ; 1752.55,732.68 cw(c1752.55,718.3) v1@1762.72,728.47 ; 1752.55,732.68 cw(c1752.55,718.3) v1@1762.72,728.47
  other v1: 1766.14,731.89
NetR12_1: R12.1 SW4.2 | length 1336.7
  Top Layer w10: v1(1678.35,28.74) 1744.88,28.74 1766.14,50 SW4.2@1766.14,116.54 SW4.2@1766.14,364.57 ; v1@1681.77,25.32 cw(c1690.04,17.05) 1690.04,28.74 ; v1@1681.77,25.32 cw(c1690.04,17.05) 1690.04,28.74 ; v1@1681.77,25.32 cw(c1690.04,17.05) 1690.04,28.74 ; v1@1681.77,25.32 cw(c1690.04,17.05) 1690.04,28.74 ; v1@1681.77,32.16 ccw(c1690.04,40.43) 1690.04,28.74 ; v1@1681.77,32.16 ccw(c1690.04,40.43) 1690.04,28.74 ; v1@1681.77,32.16 ccw(c1690.04,40.43) 1690.04,28.74 ; v1@1681.77,32.16 ccw(c1690.04,40.43) 1690.04,28.74 ; 1766.14,81.08 cw(c1801.6,81.08) 1776.53,106.15 ccw(c1801.6,81.08) 1766.14,81.08 ; 1766.14,81.08 ccw(c1730.69,81.08) 1755.76,106.15 cw(c1730.69,81.08) 1766.14,81.08 ; 1766.14,151.99 cw(c1730.69,151.99) 1755.76,126.92 ccw(c1730.69,151.99) 1766.14,151.99 ; 1766.14,151.99 ccw(c1801.6,151.99) 1776.53,126.92 cw(c1801.6,151.99) 1766.14,151.99 ; 1766.14,329.11 cw(c1801.6,329.11) 1776.53,354.18 ccw(c1801.6,329.11) 1766.14,329.11 ; 1766.14,329.11 ccw(c1730.69,329.11) 1755.76,354.18 cw(c1730.69,329.11) 1766.14,329.11
  Bottom Layer w10: v1(1678.35,28.74) 1678.35,14.17 1695.98,-3.46 R12.1@1695.98,-18.11 ; v1@1673.43,30.29 ccw(c1687.45,25.87) 1677.05,15.47 ; v1@1673.43,30.29 ccw(c1687.45,25.87) 1677.05,15.47 ; v1@1673.43,30.29 ccw(c1687.45,25.87) 1677.05,15.47 ; v1@1673.43,30.29 ccw(c1687.45,25.87) 1677.05,15.47 ; v1@1674.92,25.32 cw(c1666.66,17.05) 1678.35,17.05 ; v1@1674.92,25.32 cw(c1666.66,17.05) 1678.35,17.05 ; v1@1674.92,25.32 cw(c1666.66,17.05) 1678.35,17.05 ; v1@1674.92,25.32 cw(c1666.66,17.05) 1678.35,17.05 ; v1@1674.92,25.32 cw(c1666.66,17.05) 1678.35,17.05 ; v1@1674.92,25.32 cw(c1666.66,17.05) 1678.35,17.05 ; v1@1674.92,25.32 cw(c1666.66,17.05) 1678.35,17.05 ; v1@1674.92,25.32 cw(c1666.66,17.05) 1678.35,17.05 ; 1677.84,14.68 cw(c1646.63,-16.54) R12.1@1690.77,-16.54 ; 1677.84,14.68 cw(c1646.63,-16.54) R12.1@1690.77,-16.54 ; 1677.84,14.68 cw(c1646.63,-16.54) R12.1@1690.77,-16.54 ; 1678.35,17.05 cw(c1690.04,17.05) v1@1681.77,25.32 ; 1678.35,17.05 cw(c1690.04,17.05) v1@1681.77,25.32 ; 1678.35,17.05 cw(c1690.04,17.05) v1@1681.77,25.32 ; 1678.35,17.05 cw(c1690.04,17.05) v1@1681.77,25.32 ; 1678.35,17.05 cw(c1690.04,17.05) v1@1681.77,25.32 ; 1678.35,17.05 cw(c1690.04,17.05) v1@1681.77,25.32 ; 1678.35,17.05 cw(c1690.04,17.05) v1@1681.77,25.32 ; 1678.35,17.05 cw(c1690.04,17.05) v1@1681.77,25.32 ; v1@1682.96,27.28 ccw(c1705.15,20.27) 1688.7,3.82 ; v1@1682.96,27.28 ccw(c1705.15,20.27) 1688.7,3.82 ; v1@1682.96,27.28 ccw(c1705.15,20.27) 1688.7,3.82 ; v1@1682.96,27.28 ccw(c1705.15,20.27) 1688.7,3.82 ; 1694.91,-2.39 cw(c1680.77,-16.54) R12.1@1700.77,-16.54 ; 1694.91,-2.39 cw(c1680.77,-16.54) R12.1@1700.77,-16.54 ; 1694.91,-2.39 cw(c1680.77,-16.54) R12.1@1700.77,-16.54
PIN1: U1.32 U2.1 | length 649.7
  Top Layer w7: v1@256.3,55.51 U2.1@256.3,109.64 ; U2.1@248.34,86.92 cw(c229.11,67.69) 256.3,67.69 ; U2.1@248.34,86.92 cw(c229.11,67.69) 256.3,67.69 ; U2.1@248.34,86.92 cw(c229.11,67.69) 256.3,67.69 ; v1@251.82,59.6 ccw(c240.99,70.43) 256.3,70.43 ; v1@251.82,59.6 ccw(c240.99,70.43) 256.3,70.43 ; v1@251.82,59.6 ccw(c240.99,70.43) 256.3,70.43 ; v1@251.82,59.6 ccw(c240.99,70.43) 256.3,70.43 ; v1@251.82,59.6 ccw(c240.99,70.43) 256.3,70.43 ; 256.3,67.69 cw(c283.49,67.69) U2.1@264.27,86.92 ; 256.3,67.69 cw(c283.49,67.69) U2.1@264.27,86.92 ; 256.3,67.69 cw(c283.49,67.69) U2.1@264.27,86.92 ; 256.3,70.43 ccw(c271.61,70.43) v1@260.79,59.6 ; 256.3,70.43 ccw(c271.61,70.43) v1@260.79,59.6 ; 256.3,70.43 ccw(c271.61,70.43) v1@260.79,59.6 ; 256.3,70.43 ccw(c271.61,70.43) v1@260.79,59.6 ; 256.3,70.43 ccw(c271.61,70.43) v1@260.79,59.6
  Bottom Layer w7: v1(256.3,55.12) 256.3,68.78 ; U1.32@342.52,244.09 342.52,229.62 333.76,220.87 333.76,146.25 256.3,68.78 ; v1@252.21,59.96 ccw(c244.75,68.78) 256.3,68.78 ; v1@252.21,59.96 ccw(c244.75,68.78) 256.3,68.78 ; v1@252.21,59.96 ccw(c244.75,68.78) 256.3,68.78 ; v1@252.21,59.96 ccw(c244.75,68.78) 256.3,68.78 ; v1@252.21,59.96 ccw(c244.75,68.78) 256.3,68.78 ; 256.3,68.78 ccw(c267.85,68.78) v1@260.39,59.96 ; 256.3,68.78 ccw(c267.85,68.78) v1@260.39,59.96 ; 256.3,68.78 ccw(c267.85,68.78) v1@260.39,59.96 ; 256.3,68.78 ccw(c267.85,68.78) v1@260.39,59.96 ; 256.3,68.78 ccw(c267.85,68.78) v1@260.39,59.96 ; 339.33,226.44 ccw(c332.7,233.07) U1.32@342.08,233.07 ; 339.33,226.44 ccw(c332.7,233.07) U1.32@342.08,233.07 ; 339.33,226.44 ccw(c332.7,233.07) U1.32@342.08,233.07
PIN2: U1.31 U2.2 | length 613.8
  Top Layer w7: v1(315.36,62.99) U2.2@315.36,109.64 ; U2.2@307.39,86.92 cw(c288.16,67.69) v1@315.36,67.69 ; U2.2@307.39,86.92 cw(c288.16,67.69) v1@315.36,67.69 ; U2.2@307.39,86.92 cw(c288.16,67.69) v1@315.36,67.69 ; v1@310.87,67.48 ccw(c300.04,78.3) 315.36,78.3 ; v1@310.87,67.48 ccw(c300.04,78.3) 315.36,78.3 ; v1@310.87,67.48 ccw(c300.04,78.3) 315.36,78.3 ; v1@310.87,67.48 ccw(c300.04,78.3) 315.36,78.3 ; v1@310.87,67.48 ccw(c300.04,78.3) 315.36,78.3 ; v1@315.36,67.69 cw(c342.55,67.69) U2.2@323.32,86.92 ; v1@315.36,67.69 cw(c342.55,67.69) U2.2@323.32,86.92 ; v1@315.36,67.69 cw(c342.55,67.69) U2.2@323.32,86.92 ; 315.36,78.3 ccw(c330.67,78.3) v1@319.84,67.48 ; 315.36,78.3 ccw(c330.67,78.3) v1@319.84,67.48 ; 315.36,78.3 ccw(c330.67,78.3) v1@319.84,67.48 ; 315.36,78.3 ccw(c330.67,78.3) v1@319.84,67.48 ; 315.36,78.3 ccw(c330.67,78.3) v1@319.84,67.48
  Bottom Layer w7: v1@315.36,63.39 315.36,108.04 347.76,140.45 347.76,215.07 358.27,225.57 U1.31@358.27,244.09 ; v1@310.87,67.48 ccw(c300.04,78.3) 315.36,78.3 ; v1@310.87,67.48 ccw(c300.04,78.3) 315.36,78.3 ; v1@310.87,67.48 ccw(c300.04,78.3) 315.36,78.3 ; v1@310.87,67.48 ccw(c300.04,78.3) 315.36,78.3 ; v1@310.87,67.48 ccw(c300.04,78.3) 315.36,78.3 ; 315.36,78.3 ccw(c330.67,78.3) v1@319.84,67.48 ; 315.36,78.3 ccw(c330.67,78.3) v1@319.84,67.48 ; 315.36,78.3 ccw(c330.67,78.3) v1@319.84,67.48 ; 315.36,78.3 ccw(c330.67,78.3) v1@319.84,67.48 ; 315.36,78.3 ccw(c330.67,78.3) v1@319.84,67.48
PIN3: U1.30 U2.3 | length 603
  Top Layer w7: v1(374.41,64.96) U2.3@374.41,109.64 ; U2.3@366.45,86.92 cw(c347.22,67.69) v1@374.41,67.69 ; U2.3@366.45,86.92 cw(c347.22,67.69) v1@374.41,67.69 ; U2.3@366.45,86.92 cw(c347.22,67.69) v1@374.41,67.69 ; v1@369.93,69.45 ccw(c359.1,80.27) U2.3@374.41,80.27 ; v1@369.93,69.45 ccw(c359.1,80.27) U2.3@374.41,80.27 ; v1@369.93,69.45 ccw(c359.1,80.27) U2.3@374.41,80.27 ; v1@369.93,69.45 ccw(c359.1,80.27) U2.3@374.41,80.27 ; v1@369.93,69.45 ccw(c359.1,80.27) U2.3@374.41,80.27 ; v1@374.41,67.69 cw(c401.6,67.69) U2.3@382.38,86.92 ; v1@374.41,67.69 cw(c401.6,67.69) U2.3@382.38,86.92 ; v1@374.41,67.69 cw(c401.6,67.69) U2.3@382.38,86.92 ; U2.3@374.41,80.27 ccw(c389.72,80.27) v1@378.9,69.45 ; U2.3@374.41,80.27 ccw(c389.72,80.27) v1@378.9,69.45 ; U2.3@374.41,80.27 ccw(c389.72,80.27) v1@378.9,69.45 ; U2.3@374.41,80.27 ccw(c389.72,80.27) v1@378.9,69.45 ; U2.3@374.41,80.27 ccw(c389.72,80.27) v1@378.9,69.45
  Bottom Layer w7: v1@374.02,64.57 373.31,65.28 373.31,154.42 361.76,165.96 361.76,209.27 373.31,220.81 373.31,243.39 U1.30@374.02,244.1 ; v1@369.93,69.45 ccw(c361.76,77.61) 373.31,77.61 ; v1@369.93,69.45 ccw(c361.76,77.61) 373.31,77.61 ; v1@369.93,69.45 ccw(c361.76,77.61) 373.31,77.61 ; v1@369.93,69.45 ccw(c360.05,79.32) 374.02,79.32 cw(c360.05,79.32) v1@369.93,69.45 ; 373.31,82.93 ccw(c392.38,82.93) v1@378.9,69.45 ; 373.31,82.93 ccw(c392.38,82.93) v1@378.9,69.45 ; 373.31,82.93 ccw(c392.38,82.93) v1@378.9,69.45 ; v1@378.9,69.45 cw(c390.67,81.22) 374.02,81.22 ccw(c390.67,81.22) v1@378.9,69.45